# Allegro board T736_DEMO_CORE_AXP8191_LP4_4X_32X1_V0_5-draft.brd (continued)
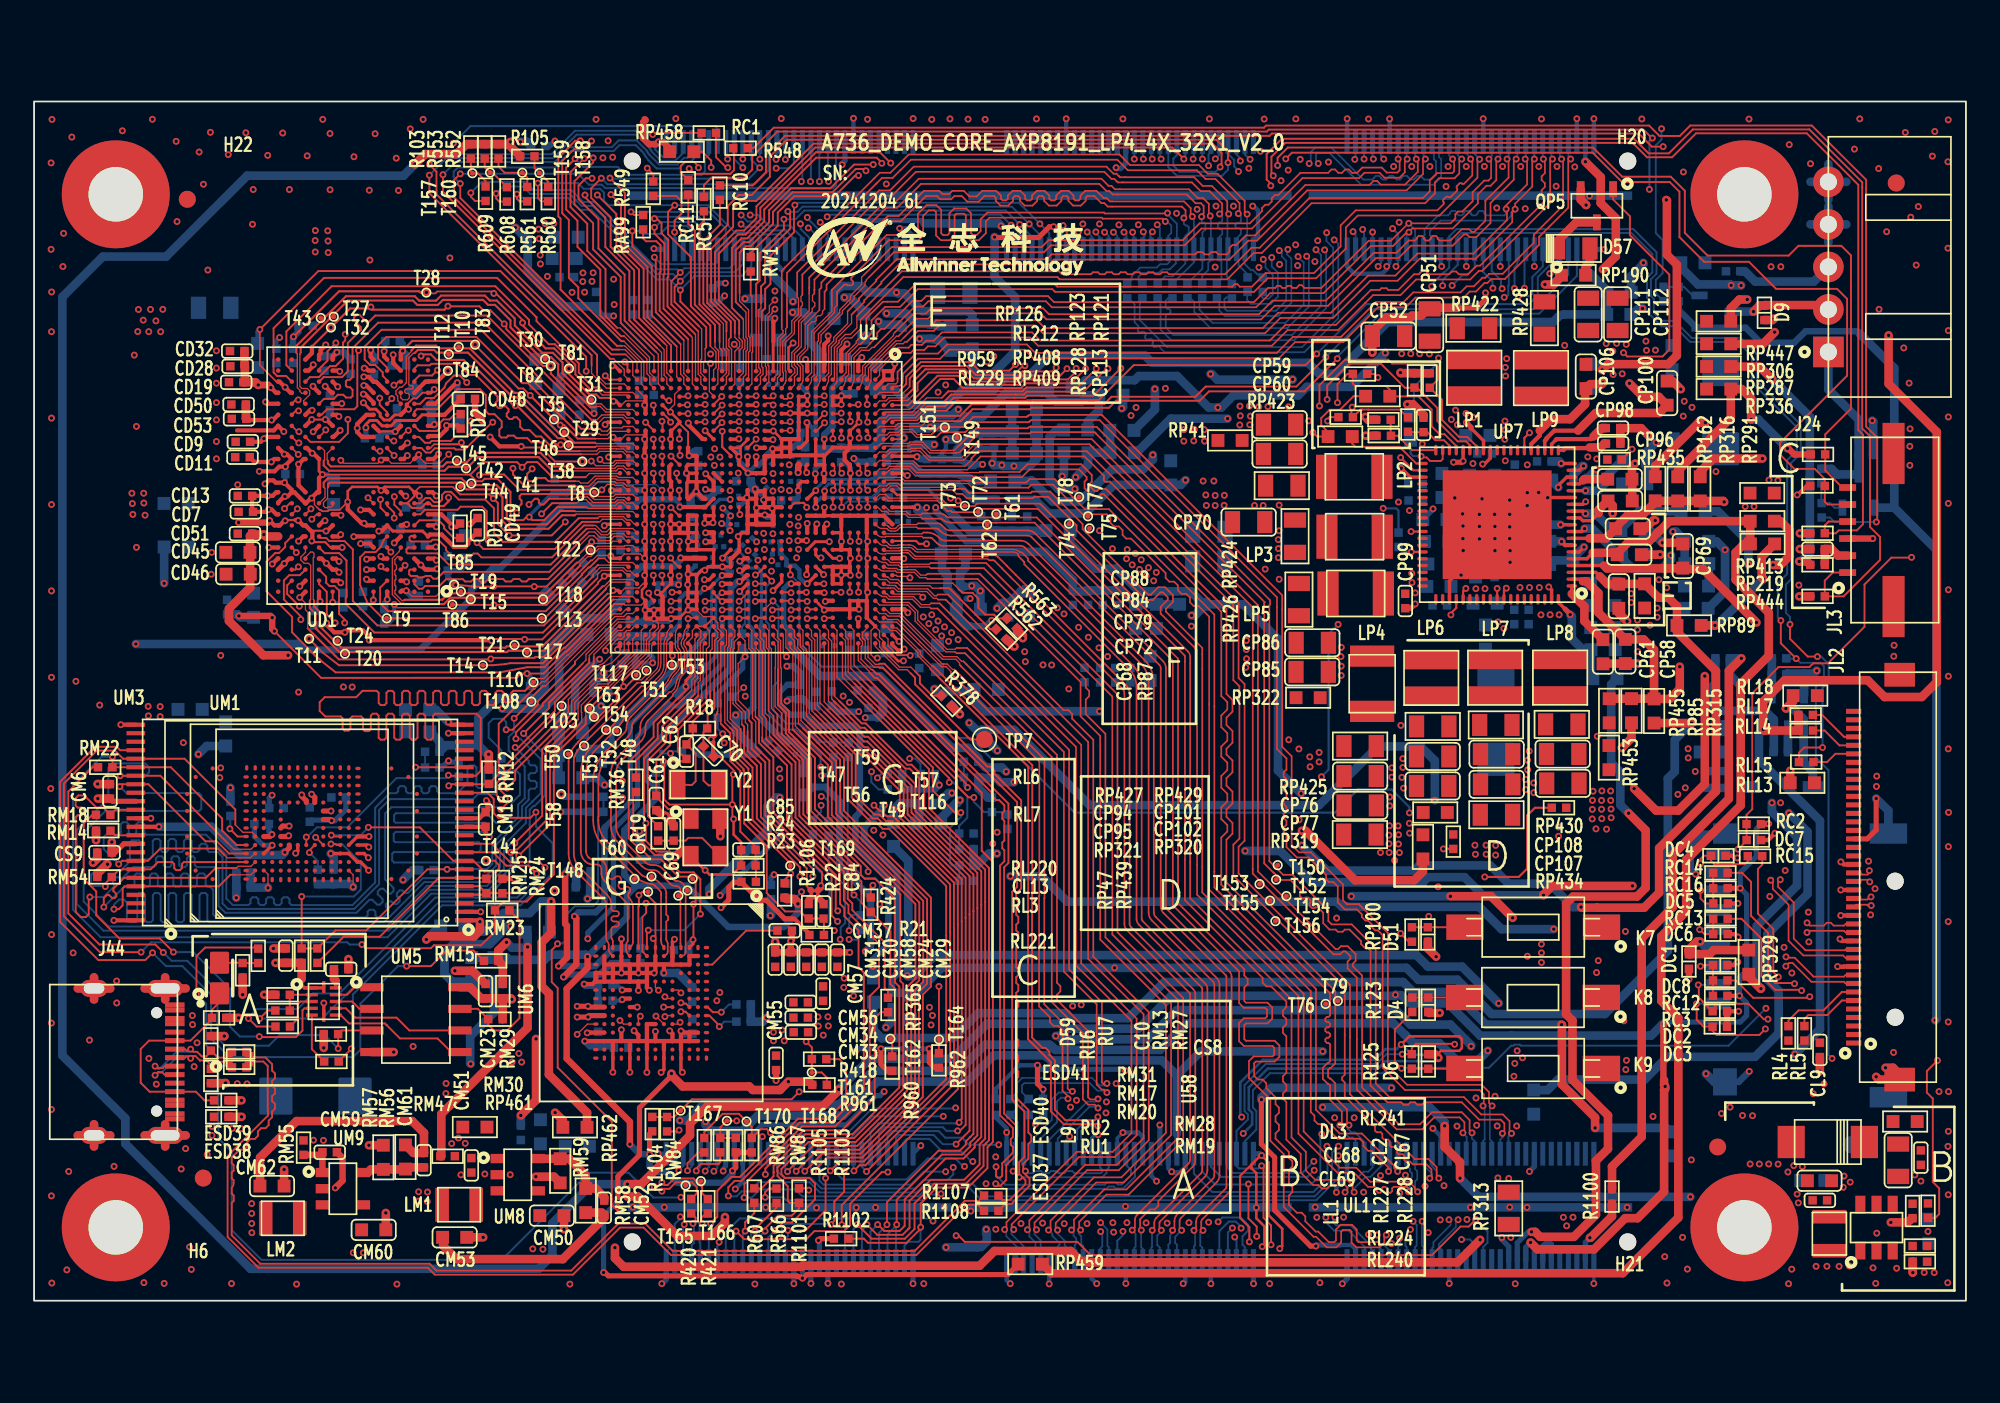
[diagram p0: board, top side]
## Copper pours and planes (outline as drawn; the poured copper is in the pictures) (continued)
DCIN on L4: 102.8,7.28 102.8,8.41 102.52,8.69 94.28,8.69 89.54,13.44 87.13,13.44 86.74,13.83 86.74,14.87 86.97,15.1 89.97,15.1 95,10.07 103.09,10.07 104.27,8.89 104.27,7.4 104.03,7.17 102.91,7.17
DLDO-IN on TOP: 102.69,48.45 102.6,48.54 101.85,48.54 101.72,48.42 101.72,47.93 101.84,47.82 101.84,47.08 101.87,47.06 102.67,47.06 102.69,47.07
DLDO-IN on BOTTOM: 92.95,48.46 93.65,48.46 93.91,48.2 93.91,47.65 94.02,47.54 95.35,47.54 95.9,48.08 95.9,49.63 95.96,49.69 96.85,49.69 97.74,48.81 102.18,48.81 102.66,48.33 102.66,47.48 102.41,47.23 102.4,47.23 102.23,47.06 96.07,47.06 95.81,46.8 94.12,46.8 94.03,46.71 91.02,46.71 90.91,46.82 90.91,47.15 91,47.23 92.18,47.23 92.9,47.96 92.9,48.41
ELDO-IN on TOP: 92.85,49.54 92.85,47.9 92.83,47.89 92.03,47.89 91.99,47.93 91.99,49.02 91.85,49.16 91.48,49.16 91.3,49.34 91.08,49.34 90.94,49.47 90.94,49.69 91.01,49.76 91.01,49.76 91.07,49.82 92.57,49.82
ELDO-IN on BOTTOM: 100.15,55.77 97.16,55.77 96.81,55.42 93,55.42 92.52,54.94 92.52,54.35 92.65,54.22 96.07,54.22 96.6,53.69 100.14,53.69 100.37,53.93 100.37,55.55
ELDO-IN on L4: 87.72,50.67 87.52,50.87 87.52,51.52 87.85,51.84 92.42,51.84 93.32,52.75 93.32,53.93 93.58,54.2 93.58,54.5 93.37,54.71 92.6,54.71 92.43,54.54 92.43,53.79 91.7,53.07 86.08,53.07 85.58,52.56 85.58,50.65 86.78,49.44 91.15,49.44 91.52,49.08 92.03,49.08 92.31,49.35 92.31,49.84 91.48,50.67
FB-GND2 on TOP: 45.22,17.59 45.22,15.36 45.4,15.18 46.72,15.18 46.89,15.36 46.89,17.69 46.65,17.93 45.38,17.93 45.22,17.77 45.22,17.59
FB-GND2 on TOP: 67.53,48.41 67.28,48.66 67.06,48.66 67.06,48.66 66.67,48.66 66.58,48.75 66.58,49.23 66.72,49.37 67.25,49.37 67.83,48.8 68.82,48.8 69.09,48.54 69.09,48.09 69.39,47.78 70.33,47.78 70.97,47.14 70.96,47.13 70.96,45.13 70.9,45.08 70.03,45.08 69.89,45.22 69.89,45.44 67.53,47.79 ; 1 cut-out
FB-GND2 on TOP: 108.79,13.81 110.53,13.81 110.58,13.76 110.58,11.89 110.46,11.76 108.96,11.76 108.69,12.03 108.69,13.71
FB-GND2 on TOP: 108.66,7.73 108.66,6.8 108.74,6.71 111.04,6.71 111.1,6.78 111.1,8.27 111.05,8.32 110.42,8.32 109.94,7.83 108.77,7.83
FB-GND2 on TOP: 76.98,39.29 76.98,36.38 76.82,36.21 75.69,36.21 75.46,36.44 75.46,39.42 75.57,39.53 76.74,39.53
FB-GND2 on TOP: 81.75,29.56 81.75,32.56 81.65,32.65 80.45,32.65 80.18,32.38 80.18,31.8 79.93,31.55 78.43,31.55 78.34,31.46 78.34,28.47 78.41,28.4 79.43,28.4 80.49,29.47 81.65,29.47
FB-GND2 on TOP: 90.47,65.84 90.47,64.3 90.74,64.03 91.28,64.03 91.61,64.36 91.61,65.59 91.22,65.97 90.61,65.97
FB-GND2 on TOP: 105.67,69.58 112.52,69.58 112.67,69.43 112.67,51.9 112.41,51.64 111.85,51.64 109.44,54.05 109.44,56.98 108.15,58.27 108.15,65.68 105.57,68.25 105.57,69.49
FB-GND2 on TOP: 14.12,8.15 14.12,6.46 14.3,6.28 19.58,6.28 19.59,6.29 19.68,6.29 20.19,5.77 20.19,3 20.35,2.84 21.08,2.84 21.54,3.3 21.54,6.19 20.66,7.08 15.64,7.08 15.12,7.6 15.12,8.17 14.99,8.31 14.28,8.31
FB-GND2 on TOP: 0.81,0.76 0.78,0.78 0.76,0.81 0.76,69.69 0.78,69.72 0.81,69.74 14.95,69.74 14.99,69.72 15,69.69 15,69.28 14.99,69.25 14.95,69.23 1.27,69.23 1.27,1.27 3.89,1.27 4.8,1.14 5.71,1.27 93.86,1.27 97.09,4.5 97.11,4.5 97.15,4.54 97.15,6.1 98.63,7.58 104.16,7.58 104.25,7.49 104.25,6.49 104.54,6.2 104.54,5.67 104.49,5.61 104.5,5.61 103.97,5.09 103.97,1.72 104.42,1.27 112.23,1.27 112.23,69.23 15.17,69.23 15.13,69.25 15.12,69.28 15.12,69.69 15.13,69.72 15.17,69.74 112.69,69.74 112.72,69.72 112.74,69.69 112.74,0.81 112.72,0.78 112.69,0.76
FB-GND2 on TOP: 97.13,4.43 97.13,14.11 98.02,15 101.68,15 102.7,13.97 104.12,13.97 104.7,14.55 105.27,14.55 105.38,14.44 105.38,13.37 105.22,13.21 99.28,13.21 98.5,12.43 98.5,10.53 98.81,10.22 99.77,10.22 100.1,9.89 100.1,7.89 100.81,7.18 100.81,3.05 100.38,2.61 97.36,2.61 96.65,3.32 96.65,3.86 97.14,4.34 97.14,4.42
FB-GND2 on TOP: 108.58,42.69 110.31,42.69 110.77,42.24 110.77,36.15 110.61,35.99 108.77,35.99 108.5,36.26 108.5,42.62
FB-GND2 on TOP: 0.94,69.05 1.56,69.68 23.17,69.68 23.54,69.31 23.54,69.05 22.02,67.53 22.02,65.37 24.81,62.58 24.81,61.18 24.43,60.8 15.67,60.8 11.73,56.86 11.73,56.3 11.84,56.19 11.84,51.51 12.12,51.22 12.12,48.56 12.28,48.4 12.28,44.95 11.73,44.4 11.73,42.13 10.84,41.24 10.84,39.21 12.75,37.3 15.29,37.3 15.79,36.8 15.79,35.53 14.91,34.64 1.32,34.64 1.19,34.51 1.12,34.51 0.94,34.69
FB-GND2 on TOP: 1.52,0.87 0.97,1.42 0.97,10.54 0.83,10.67 0.83,19.27 0.98,19.42 1.2,19.42 1.29,19.33 8.62,19.33 8.63,19.32 8.63,19.3 8.81,19.12 8.82,19.12 9.2,18.74 9.2,17.28 8.84,16.93 6.27,16.93 4.7,15.36 4.7,12.41 5.98,11.13 8.21,11.13 10.77,8.57 10.77,2.2 11.82,1.16 11.82,0.9 11.75,0.83 9.24,0.83 9.2,0.87
FB-GND2 on TOP: 108.57,51.76 108.57,47.98 108.73,47.81 110.4,47.81 110.66,48.07 110.66,51.7 110.5,51.86 108.67,51.86
FB-GND2 on TOP: 24.77,7.79 24.77,7.06 24.86,6.97 30.04,6.97 30.61,6.4 30.61,3.65 30.84,3.42 31.27,3.42 31.74,3.88 31.74,6.69 30.64,7.78 25.27,7.78 25.24,7.81 25.05,7.81 25.02,7.79
FB-GND2 on TOP: 28.04,7.75 28.15,7.64 28.15,7.16 28.05,7.05 25.4,7.05 25.4,7.06 25.23,7.06 25.17,7.12 25.17,7.71 25.21,7.75
FB-GND2 on TOP: 93.72,12.77 93.96,13.01 93.96,22.4 93.62,22.75 91.65,22.75 91.65,22.75 91.05,22.75 90.98,22.69 90.98,12.95 91.12,12.87 91.11,12.77
FB-GND2 on TOP: 86.46,29.52 86.4,29.59 86.4,32.74 86.51,32.85 89.25,32.85 89.32,32.77 89.32,29.69 89.15,29.52
FB-GND2 on TOP: 73.32,52.81 73.32,49.46 73.69,49.09 74.52,49.09 74.68,49.25 74.68,51.17 75.1,51.59 75.1,52.33 74.51,52.92 73.43,52.92
FB-GND2 on TOP: 107.36,4.4 107.37,4.4 107.87,3.9 107.87,1.92 107.08,1.14 107.38,0.84 110.27,0.84 110.63,1.2 110.63,2.4 110.49,2.54 109.85,2.54 109.51,2.2 108.64,2.2 108.54,2.29 108.54,3.79 108.72,3.97 110.46,3.97 110.58,4.09 110.58,4.9 110.36,5.12 110.08,5.12 109.84,4.88 107.55,4.88 107.29,4.62 107.29,4.46
FB-GND2 on TOP: 89.16,48.87 89.24,48.78 89.24,42.51 89.06,42.32 82.86,42.32 82.6,42.58 82.6,44.25 82.53,44.32 81.31,44.32 81.26,44.37 81.26,44.88 81.31,44.93 82.3,44.93 82.53,44.93 82.54,44.94 82.6,44.94 82.6,48.35 82.59,48.35 82.59,48.61 82.85,48.87
FB-GND2 on TOP: 14.26,7.16 15.31,7.16 15.56,6.92 17.93,6.92 18.09,6.75 18.09,6.38 17.99,6.28 14.3,6.28 14.23,6.35 14.23,7.13
FB-GND2 on TOP: 90.56,54.86 90.78,54.64 91.52,54.64 91.76,54.88 91.76,54.98 92.21,55.42 93.22,55.42 93.92,56.12 93.92,57.29 93.71,57.5 90.66,57.5 90.56,57.4
FB-GND2 on TOP, BOTTOM, L3, L4: 0.81,0.76 0.78,0.78 0.76,0.81 0.76,69.69 0.78,69.72 0.81,69.74 14.95,69.74 14.99,69.72 15,69.69 15,69.28 14.99,69.25 14.95,69.23 1.27,69.23 1.27,1.27 3.89,1.27 4.8,1.14 5.71,1.27 99.57,1.27 100.48,1.14 101.4,1.27 112.23,1.27 112.23,69.23 15.17,69.23 15.13,69.25 15.12,69.28 15.12,69.69 15.13,69.72 15.17,69.74 112.69,69.74 112.72,69.72 112.74,69.69 112.74,0.81 112.72,0.78 112.69,0.76
FB-GND2 on BOTTOM: 91.63,0.87 91.5,1 91.5,3.05 91.62,3.17 91.62,4.53 90.91,5.24 37.64,5.24 37.28,4.88 37.28,1.16 36.94,0.81 34.61,0.81 36,2.2 36,3.39 34.86,4.53 34.86,5.77 34.86,5.77 93.86,5.77 93.91,5.73 97.46,5.73 99.04,7.31 101.09,7.31 101.94,6.46 103.98,6.46 105.53,4.92 109.28,4.92 110.62,3.57 110.62,1.5 109.99,0.87
FB-GND2 on BOTTOM: 43.57,31.95 43.57,30.65 43.69,30.52 44.07,30.52 44.15,30.6 44.15,31.79 44.18,31.81 44.81,31.81 44.89,31.89 44.89,32.29 44.77,32.41 44.1,32.41 43.23,33.29 43.06,33.29 42.74,32.97 42.74,32.77
FB-GND2 on BOTTOM: 0.77,11.79 2.5,11.79 12.01,2.28 12.01,1.01 11.84,0.83 1.19,0.83 0.77,1.25 0.77,11.79
FB-GND2 on BOTTOM: 63.84,45.21 64.79,45.21 65.06,44.95 67.2,44.95 67.6,44.55 68.45,44.55 68.61,44.71 68.61,45.64 69.32,46.36 70.39,46.36 71.22,47.19 73.85,47.19 74.61,46.42 74.61,42.85 76.93,40.53 76.93,39.07 76.56,38.7 76.56,34.69 78.04,33.21 82.96,33.21 83.51,33.75 83.51,38.03 79.17,42.37 79.17,46.08 77.54,47.71 68.83,47.71 68.19,47.07 68.18,47.07 68.14,47.03 63.65,47.03 61.78,45.16 61.78,43.22 62.1,42.9 62.96,42.9 63.58,43.36 63.6,44.84
FB-GND2 on BOTTOM: 50.42,37.08 50,37.51 46.43,37.51 45.88,38.05 45.88,38.59 45.96,38.66 47.3,38.66 47.47,38.5 49.72,38.5 50.2,38.98 50.91,38.98 52.1,37.79 53.4,37.79 53.54,37.93 53.75,38.32 54,38.32 54.73,38.32 55.1,38.69 55.1,39.74 55.11,39.74 55.11,40.47 54.69,40.88 54.26,40.88 54.18,40.96 54.18,41.86 53.94,42.1 53.6,42.1 53.51,42.2 53.5,42.2 53.5,42.76 53.62,42.89 53.98,42.89 56.39,40.48 57.57,40.48 57.62,40.43 57.62,39.89 58.13,39.38 58.34,39.38 58.34,38.82 57.63,38.11 57.5,38.11 55.9,36.52 54.79,36.52 54.59,36.33 51.17,36.33 50.42,37.08
FB-GND2 on BOTTOM: 55.36,46.45 58.55,46.45 58.71,46.29 58.71,45.91 58.62,45.83 54.81,45.83 53.29,47.34 53.29,47.54 53.37,47.62 54.19,47.62
FB-GND2 on BOTTOM: 36.04,52.39 34.13,52.39 33.75,52.76 31.62,52.76 31.21,53.18 30.26,53.18 30.22,53.15 29.54,53.15 29.04,53.64 29.04,54.28 29.12,54.35 32,54.35 32.01,54.36 35.72,54.36 35.84,54.24 35.84,53.08 36.09,52.83 36.09,52.43
FB-GND2 on BOTTOM: 95.7,69.47 112.08,69.47 112.53,69.02 112.53,51.97 112.52,51.96 112.52,51.39 112.36,51.22 111.98,51.22 111.89,51.32 110.71,51.32 110.07,51.97 110.07,55.01 106.91,58.17 106.91,61.56 106.43,62.05 96.93,62.05 95.85,63.13 95.85,67.46 96.01,67.61 96.01,69.17
FB-GND2 on BOTTOM: 34.49,59.06 31.04,59.06 29.55,60.55 29.55,61.58 29.67,61.7 30.84,61.7 30.86,61.68 30.86,60.69 31.13,60.42 31.15,60.42 31.15,59.8 31.47,59.48 33.15,59.48 33.9,60.24 34.16,60.24 35.3,59.1 36.39,59.1 36.5,59 36.5,58.66 36.37,58.54 35,58.54
FB-GND2 on BOTTOM: 0.91,69.56 22.98,69.56 23.22,69.33 23.22,69.31 21.91,68 21.91,67.06 21.5,66.65 11.51,66.65 11.44,66.73 9.23,66.73 7.47,64.97 7.47,62.24 7.1,61.86 3,61.86 1.57,60.44 1.03,60.44 0.83,60.64 0.83,69.48
FB-GND2 on BOTTOM: 35.62,44.4 34.14,44.4 33.91,44.17 33.14,44.17 33.04,44.07 33.04,43.36 31.21,41.52 31.22,41.52 31.22,41.43 31.21,41.42 31.21,41.27 30.51,40.57 30.51,40.4 30.98,39.93 31.18,39.93 31.76,40.51 33.12,40.51 34.28,41.67 34.28,42.41 35.31,43.44 36.02,43.44 36.12,43.54 36.12,44.24 35.96,44.4 35.62,44.4
FB-GND2 on BOTTOM: 88.07,42.93 88.07,45.24 88.32,45.49 88.32,46.37 88.7,46.75 88.7,49.61 88.55,49.76 87.86,49.76 87.53,49.43 87.53,48.77 87.38,48.62 86.67,48.62 86.41,48.36 86.41,47.83 86.21,47.62 82.48,47.62 81.83,48.28 81.33,48.28 81.32,48.26 81.32,46.81 81.35,46.78 82,46.78 82.03,46.8 82.35,46.8 82.6,46.55 82.6,46.08 82.61,46.08 82.61,44.73 82.61,44.72 82.61,44.34 82.86,44.1 82.86,41.6 82.75,41.5 82.75,39.9 82.76,39.9 83.37,39.29 87.95,39.29 88.12,39.47 88.12,39.97 87.99,40.1 85.25,40.1 84.92,40.44 84.92,41.2 84.84,41.27 84.11,41.27 83.96,41.43 83.96,42.26 83.95,42.27 83.95,43.23 84.15,43.44 85.07,43.44 85.4,43.1 86.72,43.1 86.97,42.85 87.98,42.85
FB-GND2 on BOTTOM: 85.15,49.55 84.38,49.55 83.69,50.23 83.69,50.85 83.09,51.46 83.09,51.91 83.19,52.02 83.42,52.02 84.1,51.33 84.1,51.33 84.49,51.33 84.53,51.29 84.64,51.25 84.64,50.6 85.21,50.02 85.21,49.6
FB-GND2 on BOTTOM: 97.83,13.7 97.83,12.97 98.7,12.1 100.63,12.1 101.28,12.74 101.28,13.67 101.1,13.84 97.98,13.84
FB-GND2 on BOTTOM: 107.8,14.62 107.8,11.45 108.16,11.09 109.75,11.09 110.07,11.4 110.07,14.33 109.41,14.99 108.17,14.99
FB-GND2 on BOTTOM: 70.37,5.45 70.83,5.45 71.41,4.87 71.41,3.92 71.19,3.7 71.19,1.7 70.54,1.05 70.78,0.81 77.67,0.81 77.77,0.91 77.77,2.8 77.37,3.19 75.46,3.19 75.39,3.27 75.39,3.54 75.75,3.89 75.75,5.03 76.19,5.47 76.02,5.64 70.52,5.64 70.35,5.47
FB-GND2 on BOTTOM: 34.61,65.15 34.61,64.89 34.8,64.71 75.7,64.71 76.12,65.13 76.12,66.11 75.86,66.37 74.73,66.37 74.6,66.5 74.6,67.52 75.22,68.13 75.82,68.13 76.67,67.29 77.16,67.29 77.27,67.4 77.27,69.42 77.16,69.52 72.2,69.52 72.09,69.41 71.62,69.41 72.43,68.6 72.43,66.65 71.12,65.34 56.56,65.34 56.14,65.76 56.14,68.15 57.45,69.46 57.3,69.61 50.2,69.61 50.42,69.38 51.27,69.38 51.48,69.16 51.48,67.45 51.63,67.3 51.63,65.61 51.25,65.22 34.68,65.22
FB-GND2 on BOTTOM: 105.1,45.17 109.23,45.17 110.4,44 110.4,32.27 109.89,31.77 108.01,31.77 107.78,32 107.78,38.55 106.62,39.7 102.99,39.7 102.59,40.1 102.59,42.18 103.29,42.88 104.52,42.88 104.89,43.25 104.89,44.96
FB-GND2 on BOTTOM: 112.16,45.63 112.16,45.99 109.8,48.34 109.8,52.22 110.52,52.93 112.43,52.93 112.54,52.82 112.54,45.9 112.28,45.63
FB-GND2 on BOTTOM: 39.62,55.31 40.69,55.31 40.85,55.15 40.85,54.68 40.72,54.55 40.34,54.55 40.06,54.83 39.65,54.83 39.51,54.97 39.51,55.2
FB-GND2 on BOTTOM: 96.88,27.81 96.88,25.12 97.25,24.75 99.56,24.75 100.75,25.94 100.75,27.92 100.43,28.24 97.31,28.24
FB-GND2 on BOTTOM: 2.03,20.76 5.18,20.76 6.7,19.24 8.38,19.24 8.91,18.71 8.91,17 8.81,16.89 8.81,15.99 9.16,15.64 9.65,15.64 9.97,15.32 9.97,9.85 10.93,8.89 10.93,8.18 9.43,6.69 8.85,6.69 1.97,13.57 1.97,20.76 1.99,20.77 2.02,20.77
FB-GND2 on BOTTOM: 43.52,54.71 43.52,53.63 43.66,53.5 45.17,53.5 45.4,53.73 45.4,55.02 45.55,55.17 45.55,55.52 45.38,55.7 44.97,55.7 44.84,55.82 44.84,56.53 44.64,56.73 44.64,57.6 44.18,58.06 43.46,58.06 43.32,57.91 43.32,57.19 43.46,57.05 43.46,56.09 43.64,55.92 43.64,54.82
FB-GND2 on BOTTOM: 49.25,46.57 49.25,46.22 49.29,46.18 52.55,46.18 52.64,46.27 52.65,46.27 52.65,46.94 52.09,47.49 50.83,47.49 50.75,47.41 50.75,46.93 50.61,46.78 49.47,46.78
FB-GND2 on BOTTOM: 91.15,69.36 91.22,69.36 91.49,69.08 91.49,66.64 91.39,66.54 90.66,66.54 90.57,66.63 90.57,66.46 91.39,65.64 93.25,65.64 93.41,65.8 93.41,65.93 93.07,66.27 93.07,67.81 94.7,69.45 94.7,69.54 91.3,69.54 91.15,69.39
FB-GND2 on BOTTOM: 63.86,41.21 63.91,41.15 63.92,41.15 63.96,41.11 63.96,40.51 64.51,39.96 64.77,39.96 64.77,39.96 66.59,39.96 66.61,39.93 68.07,39.93 68.3,39.7 68.3,39.09 68.2,39 67.39,39 67.38,38.99 65.08,38.99 64.74,38.64 64.74,37.02 64.62,36.9 61.62,36.9 61.4,37.13 61.4,37.89 60.74,38.55 60.74,41.1 60.84,41.21
FB-GND2 on BOTTOM: 41.93,48.43 41.93,47.52 41.69,47.29 41.69,46.94 41.76,46.87 41.76,46.03 41.56,45.83 40.78,45.83 40.26,45.31 40.26,44.85 40.4,44.71 40.4,44.25 40.78,43.88 41.33,43.88 41.49,44.04 41.49,44.09 41.25,44.32 41.25,44.57 41.91,45.22 41.91,45.58 42.24,45.92 43.54,45.92 43.62,46 43.62,46.88 42.48,48.01 42.48,48.66 42.26,48.88 41.86,48.88 41.76,48.77 41.76,48.61
FB-GND2 on BOTTOM: 79.07,60.18 77.36,60.18 76.81,60.72 76.81,62.69 76.42,63.08 75.53,63.08 74.29,61.84 73.97,61.84 73.74,62.08 72.68,62.08 71.93,61.32 71.5,61.32 71.5,62.09 71.63,62.22 71.63,64 71.01,64.61 71.01,65.03 80,65.03 80.67,64.36 80.67,63.33 79.78,62.45 79.78,60.88
FB-GND2 on BOTTOM: 107.68,29.73 107.68,26.14 107.59,26.05 107.59,25.8 107.8,25.59 108.62,25.59 110.03,27 110.03,28.76 109.02,29.77 107.72,29.77
FB-GND2 on BOTTOM: 82.99,66.83 90.69,66.83 91.6,65.92 93.42,65.92 94,65.33 94,63.96 93.45,63.41 89.54,63.41 89.52,63.43 87.36,63.43 86.53,64.25 75.33,64.25 74.91,64.67 74.91,65.19 75.07,65.35 82.32,65.35 82.84,65.87 82.84,66.68
FB-GND2 on BOTTOM: 97.14,32.94 98.13,32.94 98.33,32.74 98.33,31.77 98.61,31.5 98.61,29.87 98.57,29.84 98.11,29.84 96.95,30.99 96.95,32.75
FB-GND2 on BOTTOM: 92.41,42.52 92.63,42.75 93.68,42.75 94.42,42.01 94.42,37.3 94.34,37.22 92.65,37.22 92.41,37.47
FB-GND2 on L2GND, L5GND: 0.76,0.76 0.76,69.74 112.74,69.74 112.74,0.76
FB-GND2 on L3: 112.57,1.36 112.31,1.11 107.23,1.11 107.11,1.24 107.36,1.49 107.36,10.13 108.48,11.25 108.48,11.26 109.68,12.45 112.46,12.45 112.57,12.35
FB-GND2 on L3: 38.23,50 38.23,49.45 38.06,49.28 38.06,48.04 38.14,47.95 38.14,44.46 37.67,43.99 37.67,42.57 37.34,42.24 35.83,42.24 31.81,38.22 20.99,38.22 20.67,37.89 16.77,37.89 14.36,40.3 14.36,56.34 17.43,59.41 31.36,59.41 37.46,53.31 37.46,51.92 37.65,51.73 37.65,51.6 38.4,50.85 38.4,50.18
FB-GND2 on L3: 99.4,7.5 103.15,7.5 103.8,6.84 103.8,1.73 104.37,1.16 104.37,0.95 104.22,0.79 94.55,0.79 94.2,1.14 94.2,1.19 94.96,1.95 94.96,3.06
FB-GND2 on L3: 1.32,69.43 30.65,69.43 30.65,69.31 29.76,68.42 29.76,67.4 30.78,66.39 30.78,65.62 29,63.85 29,60.8 28.37,60.16 19.1,60.16 18.08,61.18 18.08,63.59 17.57,64.1 10.33,64.1 8.27,62.04 8.27,60.01 7.6,59.34 1.45,59.34 1.2,59.09 0.99,59.09 0.94,59.14 0.94,69.05
FB-GND2 on L3: 17.06,2 17.06,1.24 16.81,0.98 1.32,0.98 0.94,1.36 0.94,10.89 1.06,11.01 1.01,11.07 1.01,16.63 2.43,16.63
FB-GND2 on L3: 94.03,69.43 112.19,69.43 112.57,69.05 112.57,60.04 112.31,59.78 111.04,59.78 108.12,62.7 99.23,62.7 95.55,66.39 95.3,66.39 93.9,67.78 93.9,69.31
FB-GND2 on L4: 95.17,2.76 95.17,1.11 95.3,0.98 112.29,0.98 112.67,1.36 112.67,3.81 112.59,3.89 112.32,3.89 111.96,3.52 111.04,3.52 110.79,3.78 110.79,11.9 109.9,12.79 106.73,12.79 106.47,12.54 106.47,12.03 107.23,11.27 107.23,11.01 105.71,9.49 105.71,6.19 103.81,6.19 103.68,6.32 98.73,6.32
FB-GND2 on L4: 1.19,69.43 23.16,69.43 23.29,69.31 21.76,67.78 21.76,65.24 21.38,64.86 15.16,64.86 7.54,57.24 7.54,44.16 5.76,42.38 5.76,39.46 4.87,38.57 1.06,38.57 1.06,69.31
FB-GND2 on L4: 13.48,8.46 27.39,8.46 30.04,5.8 30.04,3.06 29.81,2.83 13.56,2.83 12.44,3.94 12.44,7.42
FB-GND2 on L4: 82.34,14.55 82.45,14.74 82.45,22.56 83.96,22.56 90.16,28.76 101.71,28.76 103.68,26.79 103.68,14.57 104.12,14.13 112.23,14.13 112.6,13.76 112.6,2.1 111.4,0.9 69.37,0.9 69.22,1.05 69.22,2.73 70.03,3.54 70.03,11.09 70.51,11.56 71.21,11.56 71.21,11.56 75.07,7.69 78.24,7.69 82.34,11.79 ; 7 cut-outs
FB-GND2 on L4: 15.22,7.94 17.02,7.94 18.02,8.94 18.02,12 20.93,14.9 21.62,14.9 25.33,11.19 26.01,11.19 27.22,9.99 27.22,9.8 29.75,7.27 32.48,7.27 33.11,6.64 33.11,4.1 31.88,2.87 16.52,2.87 14.5,4.89 14.5,7.22
FB-GND2 on L4: 37.26,42.9 37.59,42.9 37.65,42.84 37.65,40.59 32.28,35.22 15.25,35.22 9.92,40.55 9.92,57.27 16.18,63.53 26.5,63.53 27.56,62.47 32.26,62.47 33.08,61.65 33.08,58.35 33.07,58.34 32.7,58.34 31.87,59.18 20.65,59.18 19.85,58.38 19.67,58.38 19.29,58.76 17.42,58.76 14.26,55.6 14.26,40.09 16.94,37.41 20.66,37.41 21.05,37.79 31.79,37.79 36.1,42.1 36.81,42.1 37.1,42.39 37.1,42.74
FB-GND2 on L4: 81.83,47.84 88.82,47.84 89.33,47.34 89.33,43.65 88.31,42.64 85.26,42.64 84.25,41.62 82.22,41.62 81.71,42.13 81.71,47.72
FB-GND2 on L4: 41.28,31.06 41.28,27.83 40.83,27.37 40.83,25.84 40.04,25.05 37.78,25.05 36.32,26.51 36.32,30.98 36.7,31.36 36.7,31.78 36.66,31.82 37.64,32.8 39.54,32.8
FB-GND2 on L4: 80.66,33.05 77.98,33.05 75.21,35.82 75.21,49.54 75.5,49.83 79.53,49.83 80.35,49.02 80.35,48.85 80.11,48.85 79.36,49.6 75.81,49.6 75.51,49.3 75.51,39.34 76.11,38.73 76.9,38.73 77.16,38.47 77.16,34.66 78.47,33.35 80.43,33.35 80.68,33.11 80.68,33.07
FB-GND2 on L4: 0.94,21.88 2.66,21.88 4.91,19.63 4.91,9.06 10.28,3.69 10.28,1.52 9.71,0.96 1.39,0.96 0.82,1.52 0.82,21.76
LX1 on TOP: 86.06,49.72 86.06,52.29 86.25,52.48 86.25,53.69 86.25,53.7 86.25,53.73 86.21,53.78 83.02,53.78 82.92,53.68 82.92,52.77 83.13,52.56 84.47,52.56 85.07,51.96 85.07,51.15 85.84,50.37 85.84,49.75 85.91,49.68 86.02,49.68
LX2 on TOP: 81.87,47.52 80.23,47.52 79.83,47.12 78.65,47.12 78.56,47.21 78.56,49.76 78.6,49.8 79.78,49.8 79.97,49.61 79.97,48.87 80.71,48.13 81.84,48.13 81.97,48.01 81.97,47.63
LX3 on TOP: 81.89,45.54 81.89,46.05 81.82,46.13 79.95,46.13 79.79,46.3 78.66,46.3 78.57,46.21 78.57,43.6 78.66,43.51 79.69,43.51 80.59,44.41 80.59,45.35 80.76,45.52 81.87,45.52
LX4 on TOP: 82.86,41.5 82.86,40.78 81.34,39.26 81.24,39.26 79.97,38 79.97,37.34 79.86,37.23 77.29,37.23 77.18,37.33 77.18,39.24 77.72,39.82 80.54,39.82 82.28,41.57 82.79,41.57
LX5 on TOP: 80.57,43.1 81.87,43.1 81.94,43.18 81.94,43.64 81.84,43.74 80.15,43.74 79.46,43.05 78.81,43.05 78.63,42.88 78.63,42.88 78.63,40.25 78.67,40.21 79.63,40.21 79.63,40.21 79.97,40.21 80.08,40.32 80.08,42.61
LX6 on TOP: 83.72,37.13 83.72,39.23 84.46,39.97 84.46,40.35 84.47,40.35 84.47,41.5 84.42,41.55 84.3,41.55 84.25,41.5 84.25,40.87 83.22,39.84 82.38,39.84 81.48,38.95 81.19,38.95 80.37,38.13 80.37,37.11 80.41,37.07 83.61,37.07 83.61,37.06 83.66,37.06
LX7 on TOP: 87.63,37.17 87.63,38.2 87.2,38.62 86.83,38.62 85.66,39.79 85.66,41.5 85.61,41.55 85.48,41.55 85.44,41.51 85.44,40.83 85.26,40.66 84.81,40.66 84.69,40.54 84.69,40.01 84.22,39.54 84.22,37.16 84.26,37.12 87.58,37.12
LX8 on TOP: 91.41,37.23 91.3,37.12 88.01,37.12 87.92,37.21 87.92,38.43 86.42,39.92 86.42,40.66 86.65,40.88 86.65,41.49 86.71,41.56 86.82,41.56 86.89,41.49 86.89,40.81 86.98,40.71 87.37,40.71 87.53,40.55 87.53,40.55 88.38,39.7 90.62,39.7 91.41,38.91
LX9 on TOP: 87.27,49.73 87.27,50.82 88.5,52.05 88.5,52.05 88.63,52.18 90.09,52.18 90.26,52.34 90.26,52.34 90.26,53.7 90.22,53.75 86.94,53.75 86.9,53.7 86.9,52.5 86.76,52.37 86.76,50.61 87.05,50.33 87.05,49.74 87.1,49.69 87.22,49.69
PS on TOP: 88.1,40.9 88.1,41.57 88.18,41.65 89.12,41.65 89.33,41.86 89.33,42.08 89.25,42.16 87.21,42.16 87.06,42.01 87.06,41.5 87.06,41.49 87.06,40.9
PS on TOP: 29.12,6.73 30.05,6.73 30.17,6.62 30.17,2.84 30.08,2.75 29.18,2.75 29.03,2.9 29.03,6.64
PS on TOP: 85.27,40.92 85.27,41.56 85.44,41.73 85.44,42.04 85.37,42.11 84.47,42.11 84.42,42.06 84.42,41.78 84.64,41.57 84.64,40.87 85.22,40.87
PS on TOP: 81.92,42.83 81.82,42.93 80.62,42.93 80.29,42.6 80.29,41.35 80.34,41.3 81.82,41.3 81.92,41.4
PS on TOP: 80.06,46.28 79.97,46.37 79.97,47.1 80.19,47.32 82.29,47.32 82.4,47.21 82.4,46.44 82.23,46.28
PS on TOP: 18.53,5.91 19.66,5.91 19.71,5.85 19.71,2.5 19.58,2.37 18.54,2.37 18.42,2.49 18.42,5.8
PS on TOP: 86.87,50.24 86.77,50.34 86.77,50.34 86.66,50.46 86.65,50.46 86.65,51.86 86.57,51.93 86.24,51.93 86.2,51.89 86.2,50.31 86.24,50.27 86.24,49.46 86.23,49.45 86.23,49.2 86.26,49.16 86.7,49.16 86.87,49.33
PS on BOTTOM: 86.78,42.85 85.19,42.85 85.06,42.98 84.34,42.98 84.26,42.9 84.26,41.81 84.58,41.48 85.3,41.48 85.48,41.3 85.5,41.28 85.5,40.51 85.54,40.48 86.35,40.48 86.48,40.35 88,40.35 88.15,40.5 88.15,40.68 88.28,40.81 90.29,40.81 90.87,40.22 90.87,39.19 90.96,39.11 91.81,39.11 91.89,39.19 91.89,42.76 92.31,43.19 92.32,43.19 92.32,43.99 92.23,44.08 91.49,44.08 91.35,43.94 91.35,43.08 91.05,42.78 89.78,42.78 89.59,42.58 87.04,42.58
PS on BOTTOM: 100.21,51.79 101.06,50.93 101.06,49.51 100.56,49 98.03,49 96.76,50.27 95.92,50.27 95.02,51.17 94.4,51.17 93.25,50.02 87.87,50.02 87.28,49.42 87.28,48.91 87.24,48.88 86.45,48.88 86.23,48.65 86.23,48.24 86.16,48.17 85.44,48.17 85.38,48.23 85.38,48.84 85.58,49.04 85.58,49.05 85.62,49.09 85.62,49.42 85.49,49.55 85.49,50.14 85.29,50.34 85.29,51.28 85.3,51.28 86,51.97 92.62,51.97 93.18,52.53 95.6,52.53 96.35,51.79
PS on BOTTOM: 82.45,40.57 82.45,41.26 82.26,41.45 82.26,43.66 82.27,43.66 82.27,43.86 82.11,44.02 82.11,45.31 81.99,45.43 81.99,46.31 81.92,46.38 81.18,46.38 81,46.56 81,48.25 80.95,48.29 80.21,48.29 79.95,48.03 79.95,46.89 80.33,46.52 80.33,46.02 81.13,45.22 81.13,43.85 80.7,43.42 80.7,41.48 81.71,40.47 82.35,40.47
PS on L3: 80.49,40.34 79.96,40.88 79.96,47.12 81,48.16 81.03,48.52 85.2,48.52 86.1,49.42 86.1,51.59 86.09,51.73 86.28,51.95 88.61,51.95 89.13,51.43 89.13,44.46 90.72,42.87 90.72,42.84 99.58,33.98 99.65,33.98 101.6,32.04 101.6,14.62 99.61,12.64 99.61,11.65 99.62,11.64 99.62,9.25 92.01,1.64 18.66,1.64 18.19,2.11 18.19,3.07 18.39,3.27 86.67,3.27 95.77,12.37 95.78,12.37 97.63,14.22 97.63,28.77 86.05,40.34
SWOUT1 on TOP: 83.15,49.45 83.15,49.12 83.22,49.06 83.98,49.06 84.14,49.22 84.14,49.72 84.09,49.77 84.09,50.26 84.01,50.34 83.89,50.34 83.8,50.24 83.8,49.64 83.68,49.53 83.23,49.53
SWOUT1 on TOP: 98.66,58.92 99.13,59.39 100.46,59.39 100.63,59.56 100.63,60.29 100.4,60.52 98.16,60.52 97.23,59.28 97.23,54.07 96.65,53.49 96.65,52.78 97.27,52.15 98.31,52.15 98.66,52.5
SWOUT1 on BOTTOM: 47.59,56.91 50.22,56.91 50.63,56.5 52.47,56.5 52.99,55.98 52.99,55.98 54.23,54.74 54.23,53.99 53.39,53.15 51.18,53.15 49.75,54.58 49.08,54.58 48.85,54.81 48.85,54.82 47.27,54.82 47.17,54.92 47.17,55.66 47.16,55.67 47.17,55.68 47.17,56.49
SWOUT1 on BOTTOM: 83.16,49.84 83.41,49.84 83.55,49.97 83.62,49.97 83.95,49.64 84.05,49.64 84.17,49.52 84.17,49.25 84,49.08 83.82,49.08 83.51,48.77 83.3,48.77 83.17,48.9 83.17,49.82
SWOUT1 on BOTTOM: 82.32,48.24 83.05,48.24 83.62,48.82 83.62,49.98 83.08,50.53 83.08,53.37 85.55,55.84 86.56,55.84 90.26,52.14 92.56,52.14 93.12,52.7 95.78,52.7 96.32,52.16 97.59,52.16 97.66,52.23 97.66,52.66 97.66,52.66 97.66,52.98 97.48,53.17 96.92,53.17 95.98,54.1 94.34,54.1 94.24,53.99 93.8,53.56 92.38,53.56 91.92,53.1 90.98,53.1 87.06,57.02 84.64,57.02 81.71,54.09 81.71,48.85
SWOUT1 on BOTTOM: 95.61,10.49 99.16,10.49 99.17,10.49 99.54,10.49 100.2,11.15 101.02,11.15 101.18,11 101.18,10.76 99.95,9.54 95.61,9.54 95.53,9.63 95.53,10.4
SWOUT1 on L3: 99.92,12.47 105.02,17.58 105.02,49 104.98,49.05 104.98,50.97 104.97,50.98 104.97,51.73 102.57,54.14 102.57,57.79 101.01,59.35 99.63,59.35 99.38,59.6 99.38,60.06 99.76,60.44 101.42,60.44 103.7,58.16 103.7,54.93 106.74,51.88 106.74,16.27 101.04,10.57 100.2,10.57 99.92,10.85
SWOUT1 on L4: 52.82,53.58 52.82,52.79 53.14,52.47 54.42,52.47 55.1,51.79 68.12,51.79 69.53,53.21 77.02,53.21 79.54,50.69 81.7,50.69 82.62,49.77 82.62,49 82.87,48.74 84,48.74 84.29,49.03 84.29,49.93 82.16,52.06 80.51,52.06 77.21,55.37 67.29,55.37 65.43,53.51 65.39,53.51 64.96,53.08 56.08,53.08 55.05,54.12 53.36,54.12
SWOUT1 on L4: 62.31,51.94 60.71,51.94 61.91,50.74 66.03,50.74 67.4,52.11 67.4,52.49 67.01,52.88 63.01,52.88 62.31,52.19 62.31,52.02 62.38,51.96 62.32,51.96
SWOUT2 on TOP: 85.75,5.96 87.34,5.96 87.39,6.01 87.39,7.54 87.12,7.81 85.85,7.81 85.6,7.56 85.6,6.11
SWOUT2 on TOP: 84.33,49.5 84.33,49.09 84.44,48.98 85.35,48.98 85.69,49.32 85.69,50.25 85.6,50.33 85.49,50.33 85.44,50.28 85.44,49.66 85.31,49.53 84.36,49.53
SWOUT2 on BOTTOM: 84.75,48.15 84.75,48.37 84.75,48.37 84.75,48.57 85.09,48.91 85.28,48.91 85.34,48.99 85.37,49.02 85.37,49.24 85.18,49.43 84.47,49.43 83.9,48.86 83.9,48.19 84,48.1 84.69,48.1
SWOUT2 on BOTTOM: 54.59,59.94 54.59,58.83 54.83,58.59 55.59,58.59 55.91,58.28 55.91,55.72 55.68,55.5 55.68,55.02 55.82,54.88 56.15,54.88 57.08,55.8 57.08,58.53 55.59,60.01 54.63,60.01 54.58,59.97 54.58,59.95
SWOUT2 on BOTTOM: 97.39,42.32 97.39,40.61 97.38,40.59 97.38,39.98 98.03,39.34 106.62,39.34 107.54,38.42 107.54,12.54 103.33,8.33 99.39,8.33 97.6,6.54 85.82,6.54 85.59,6.77 85.59,7.63 85.78,7.83 86.76,7.83 87,7.59 87,7.23 87.05,7.18 87.91,7.18 88.37,7.65 96.74,7.65 98.52,9.43 102.44,9.43 103.74,10.73 103.74,10.73 106.09,13.07 106.09,37.39 105.22,38.27 97.24,38.27 96.36,39.14 96.36,40.97 96.05,41.29 95.45,41.29 95.23,41.51 95.23,42.49 95.35,42.6 97.11,42.6
SWOUT2 on L3: 84.26,52.2 84.26,48.96 84.39,48.84 85.21,48.84 85.97,49.59 85.97,51.9 86.18,52.11 88.69,52.11 89.92,50.88 89.92,44.46 92.78,41.6 96.08,41.6 96.2,41.71 96.2,43.09 95.88,43.42 95.08,43.42 92.44,46.06 92.44,48.17 92.64,48.38 92.64,49.89 89.25,53.29 85.34,53.29
SWOUT2 on L4: 56.26,55.8 55.37,54.9 55.37,54.11 56.28,53.2 64.85,53.2 67.17,55.51 81.9,55.51 82.84,56.45 90.48,56.45 91.82,55.1 93.28,55.1 94.05,54.34 94.05,51.32 95,50.36 95,48.65 93.85,47.5 93.85,42.35 94.69,41.51 95.99,41.51 96.17,41.68 96.17,43.3 95.76,43.7 95.76,44.9 96.99,46.12 96.99,51.2 95.92,52.27 95.92,54.34 94.43,55.83 94.43,55.83 94.39,55.87 94.39,56.7 93.5,57.59 77.49,57.59 76.84,56.93 75.54,56.93 75.54,56.92 68.9,56.92 68.89,56.92 66.86,56.92 64.19,54.24 57.55,54.24 57.33,54.46 57.33,55.23 57.45,55.35 57.45,55.66 57.32,55.8
UFS-VCCQ on TOP: 39.78,19.44 38.51,19.44 38.09,19.03 37.86,19.03 37.72,18.89 36.94,18.89 36.86,18.81 36.86,18.58 36.96,18.48 38.39,18.48 38.49,18.58 41.94,18.58 42.3,18.23 46.64,18.23 47.3,17.57 48.27,17.57 48.6,17.9 48.6,19.03 47.75,19.88 40.21,19.88
UFS-VCCQ on BOTTOM: 36.96,9.84 37.99,10.88 38.01,10.88 38.36,11.23 38.37,11.23 39.04,11.9 46.11,11.9 47.95,13.74 47.95,17.43 48.58,18.07 48.58,19.21 48.29,19.51 47.15,19.51 44.84,17.2 44.84,15.4 42.64,13.2 38.15,13.2 35.87,10.91 32.57,10.91 32.17,10.51 32.17,8.61 32.43,8.35 33.37,8.35 34.15,9.13 34.15,9.14 34.85,9.84
UFS-VCCQ2 on TOP: 43.41,14.11 43.19,14.34 43.19,15.08 40.95,17.31 39.91,17.31 39.66,17.57 38.51,17.57 38.39,17.69 38.39,18.33 38.49,18.43 41.59,18.43 42.04,17.97 44.89,17.97 45.04,17.82 45.04,14.21 44.94,14.11
UFS-VCCQ2 on BOTTOM: 37.27,13.52 42.72,13.52 44.33,15.13 44.33,16.06 44.07,16.32 43.32,16.32 42.92,15.92 39.72,15.92 38.98,15.18 36.77,15.18 36.6,15.01 36.02,15.01 36.02,15.01 35.87,15.01 35.05,14.19 33.82,14.19 33.77,14.15 31.25,14.15 29.21,12.11 29.21,10.31 29.26,10.26 30.35,10.26 30.71,10.62 30.71,10.62 31.55,11.45 35.2,11.45
UFS-VCCQ2 on L4: 33.56,15 33.56,19.77 33.99,20.2 39.4,20.2 40.54,19.07 40.54,15.13 40.12,14.72 33.84,14.72
USBVBUS on TOP: 9.2,11.26 9.12,11.34 7.67,11.34 7.67,11.34 6.14,11.34 5.07,12.41 5.07,15.47 6.31,16.72 7.67,16.72 7.69,16.74 8.82,16.74 9.13,17.04 9.61,17.04 9.74,16.91 9.74,16.2 9.52,15.97 9.02,15.97 8.86,16.14 7.7,16.14 7.36,15.79 6.38,15.79 5.91,15.33 5.91,12.91 6.68,12.14 7.5,12.14 7.7,11.93 9.3,11.93 10.04,11.18 10.75,11.18 10.85,11.09 10.85,9.68 10.6,9.44 10.22,9.44 9.2,10.46
USBVBUS on BOTTOM: 11.83,13.74 15,13.74 15.27,13.47 15.27,9.53 15.01,9.27 11.81,9.27 11.43,9.65 11.43,13.34
USBVBUS on L4: 8.23,17.31 9.49,17.31 9.81,16.99 9.81,15.96 12.74,13.03 12.74,8.76 12.42,8.44 9.9,8.44 9.26,9.08 9.26,10.55 7.87,11.94 7.87,16.95
VLED0+ on TOP: 107.91,5.17 107.91,6.56 106.59,7.89 106.59,10.29 106.64,10.35 108.39,10.35 108.89,9.84 109.96,9.84 110.18,10.06 110.18,10.94 110.33,11.08 110.93,11.08 111.18,10.83 111.18,8.76 110.97,8.55 108.88,8.55 108.55,8.22 108.55,5.16 108.49,5.11 107.97,5.11
VLED0- on TOP: 111.02,3.53 111.82,3.53 111.89,3.47 111.89,1.46 111.83,1.41 110.93,1.41 110.82,1.52 110.82,1.91 110.95,2.04 110.95,3.46
VLED0- on BOTTOM: 110.9,3.8 111.67,3.8 111.86,3.61 111.86,1.47 111.84,1.45 110.89,1.45 110.79,1.56 110.79,2.74 110.78,2.75 110.78,3.4 110.78,3.41 110.78,3.68
N19391480 on BOTTOM: 98.97,34.17 100.42,34.17 100.66,33.93 100.66,30.94 100.78,30.82 101.18,30.82 101.42,30.58 101.42,29.85 101.33,29.77 99.04,29.77 98.92,29.89 98.92,34.11 98.92,34.12
N19391674 on TOP: 108.77,10.14 108.32,10.6 108.31,10.6 106.85,12.05 106.85,14.32 109.01,16.48 109.01,32.21 107.73,33.49 107.33,33.49 107.33,33.5 106.48,33.5 106.27,33.71 106.27,34.25 105.45,35.07 104.53,35.07 104.37,35.22 104.37,36.01 104.43,36.07 104.43,36.07 107.54,36.07 111.23,32.39 111.23,15.56 108.44,12.77 108.44,11.86 108.75,11.55 109.28,11.55 109.69,11.15 109.69,10.2 109.63,10.14
N19391676 on TOP: 106.16,29.82 106.34,30 107.38,30 107.39,30 108.31,30 108.52,30.22 108.52,31.2 108.4,31.33 105.34,31.33 105.01,31 104.31,31 104.21,30.9 104.21,30.07 104.46,29.82
N19391676 on BOTTOM: 107.93,31.11 107.93,30.04 108.13,29.85 109.3,29.85 110.25,28.9 110.25,8.2 111.09,7.36 111.09,6.8 110.69,6.4 110.69,4.43 110.89,4.23 111.72,4.23 112.11,4.61 112.11,8.58 111.56,9.13 111.56,15.65 111.3,15.91 111.3,29.72 109.76,31.26 108.09,31.26
N21636269 on TOP: 24.32,6.73 24.42,6.63 24.42,3.22 24.36,3.16 24.36,3.16 23.39,3.16 23.39,3.16 22.46,3.16 21.91,3.71 21.91,6.42 22.22,6.73
